# Altium PCB Brushed_PCB.PcbDoc (part 1 of 2)
Units mil, origin at the board's own origin, x right, y up, seen from the top; angles counter-clockwise.
Board outline 5346.98 x 2308.22 mil, 2 copper layers (Top Layer, Bottom Layer); 144 components, 135 nets, 552 pads, 124 vias.
Unrouted connection lines stored in the file: 100.
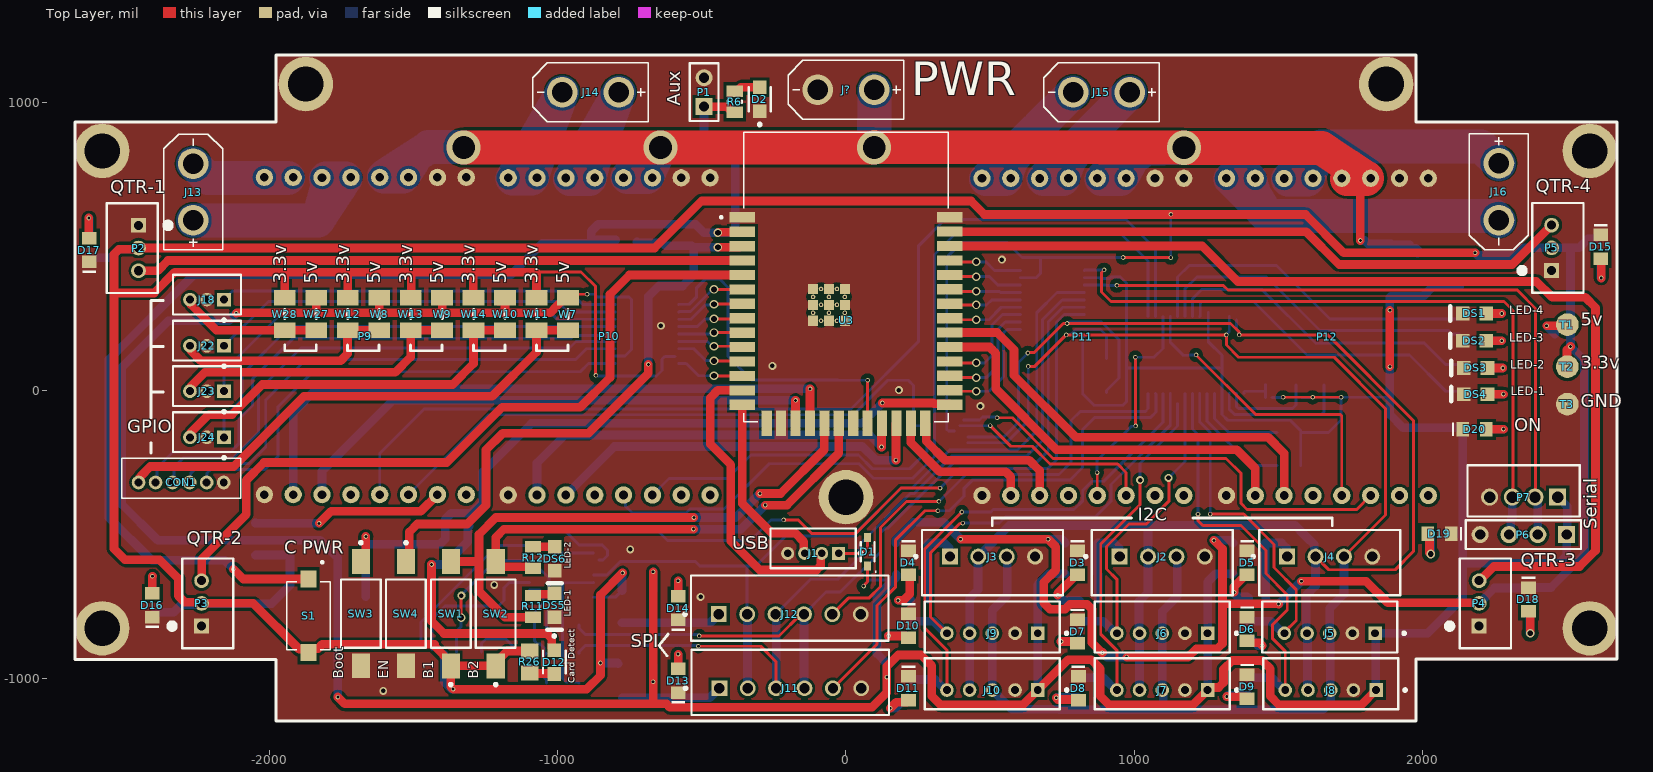
[diagram p0: Top Layer view]
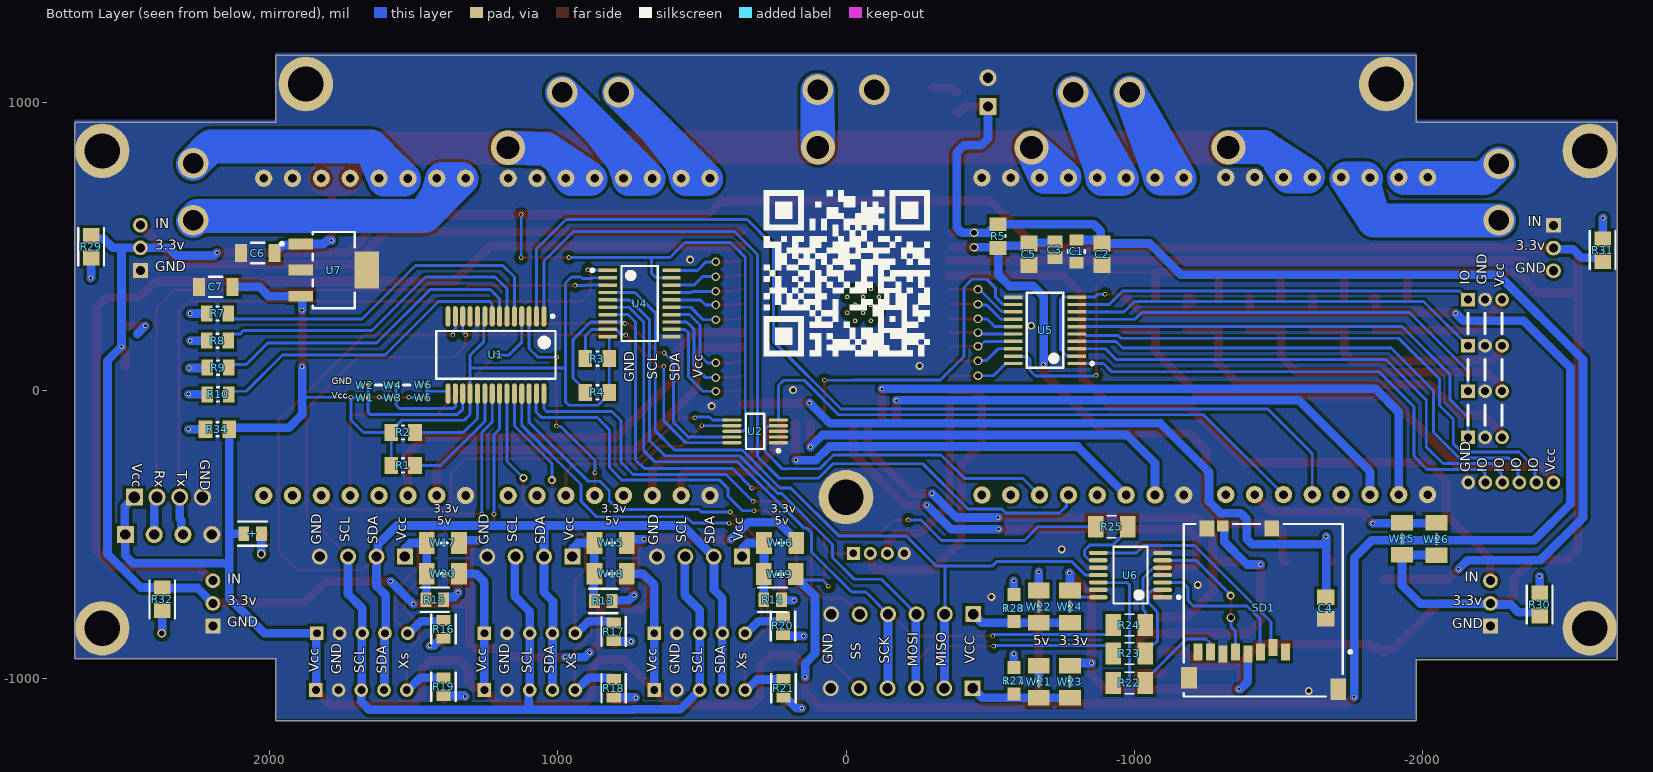
[diagram p1: Bottom Layer view, seen from below]
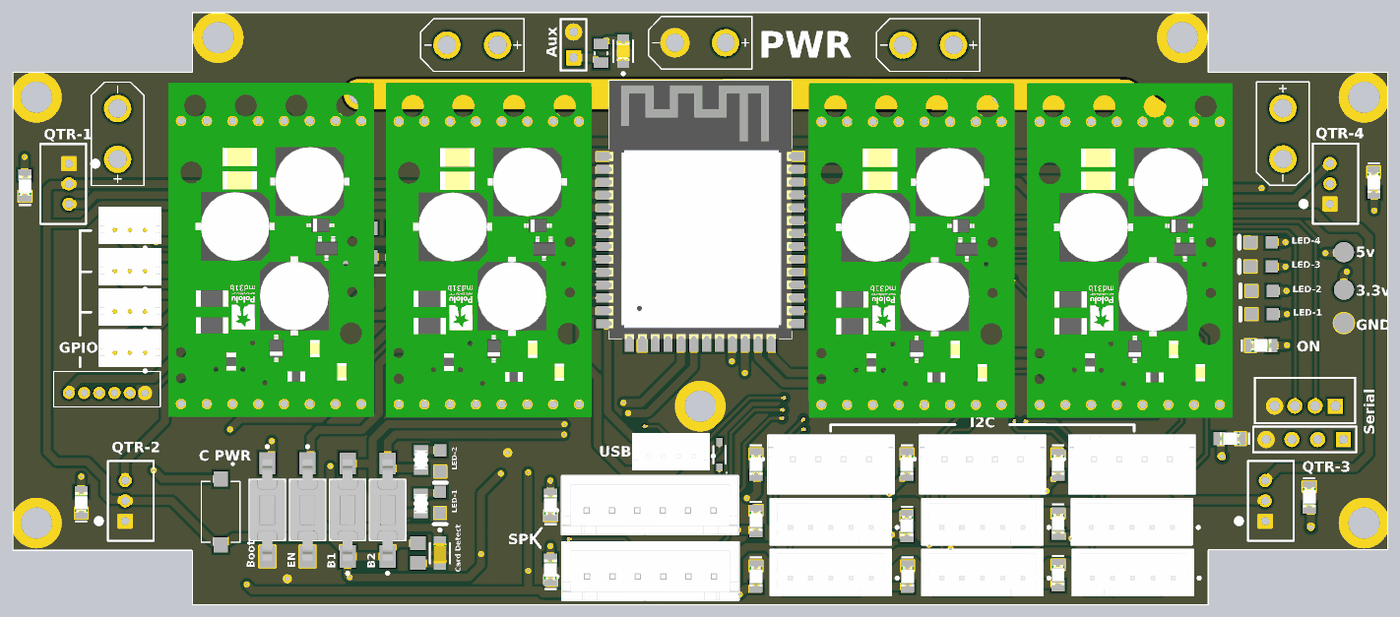
[diagram p3: 3D render of the assembled board from above, using the file's embedded part models]
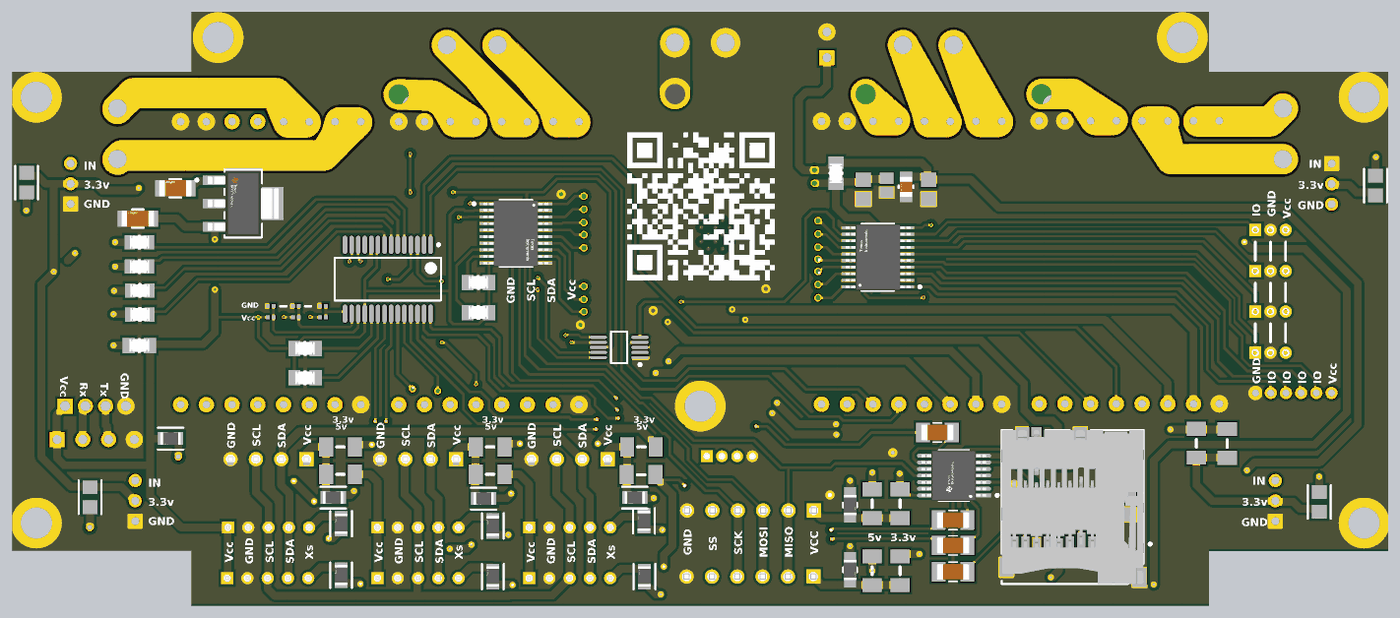
[diagram p4: 3D render of the assembled board from below, using the file's embedded part models]

## Layer stack, top to bottom
Top Solder: solder mask 0.4, Solder Resist, Dk 3.5
Top Layer: signal copper 1.4
Dielectric 1: dielectric 12.6, FR-4, Dk 4.8
Bottom Layer: signal copper 1.4
Bottom Solder: solder mask 0.4, Solder Resist, Dk 3.5

## Board outline
-2673.49,-932.92 -1976.38,-932.92 -1976.38,-1145.67 1976.38,-1145.67 1976.38,-930.96 2068.1,-930.96 2673.49,-930.96 2673.49,930.27 1976.38,930.27 1976.38,1162.55 -1976.38,1162.55 -1976.38,930.26 -2673.49,930.26

## Design rules (kind name [scope] priority, off if disabled: settings)
Clearance [All] p1: gap=10 ignorepadtopadclearanceinfootprint=TRUE except(7.87: Track-SMDPad SMDPad-SMDPad; 12.99: Track-THPad; 19.68: Arc-THPad Arc-Hole Track-Hole SMDPad-THPad SMDPad-Hole THPad-THPad THPad-Hole Via-Hole Fill-Hole Poly-Hole Region-Hole Text-Hole)
ComponentClearance [All] p1: gap=-50 collisioncheckmode=3 verticalgap=10 showdistances=FALSE
PlaneConnect [All] p1: planeconnectstyle=Direct reliefexpansion=20 reliefentries=4 reliefconductorwidth=10 reliefairgap=10
PolygonConnect [All] p1: connectstyle=Direct reliefconductorwidth=15.75 reliefentries=4 polygonreliefangle="90 Angle" airgapwidth=11.81
RoutingVias [All] p1: holewidth=19.68 width=29.53 viastyle="Through Hole" minholewidth=10 minwidth=15.75 maxholewidth=28 maxwidth=50
SolderMaskExpansion [All] p1: expansion=4 istentingtop=FALSE
Width [All] p1: maxlimit=118.11 minlimit=10 preferedwidth=30 minimp=50.000000 maximp=50.000000 favimp=50.000000
28 further rules are at their usual default settings.

## Classes and differential pairs
component class "High Power": C6 C7 D20 J13 J14 J15 J16 J? P9 P10 P11 P12 R34 U7 W25 W26
component class UART: + D19 P6 P7
component class SPI: D12 D13 D14 J11 J12 R22 R23 R24 R25 R26 R27 R28 SD1 U6 W21 W22 W23 W24
component class QTR: D15 D16 D17 D18 P2 P3 P4 P5 R29 R30 R31 R32
component class I2C: D3 D4 D5 D6 D7 D8 D9 D10 D11 J2 J3 J4 J5 J6 J7 J8 J9 J10 R13 R14 R15 R16 R17 R18 R19 R20 R21 W15 W16 W17 W18 W19 W20
component class Hoja_principal_Sumo_2024: C1 C2 C3 C4 C5 CON1 D1 D2 DS1 DS2 DS3 DS4 DS5 DS6 J1 J18 J22 J23 J24 P1 R1 R2 R3 R4 R5 R6 R7 R8 R9 R10 R11 R12 S1 SW1 SW2 SW3 SW4 T1 T2 T3 U1 U2 U3 U4 U5 W1 W2 W3 W4 W5 W6 W7 W8 W9 W10 W11 W12 W13 W14 W27 W28

## Components (designator, comment, footprint, x,y, rotation, side; value= is the part's Value field where it differs from the comment)
+ "ERJ-P06F1001V" FP-ERJP06-IPC_C 2057.52,-496.36 r0 bottom (schematic designator R33)
C1 "TMK212BBJ106KG-T" FP-0805-L_2_0_0_2-W_1_25-MFG -799.21,482.35 r270 bottom
C2 "GRM21BR71H104KA01L" CAPC2013X135X45ML10T25 -887.8,472.44 r270 bottom
C3 "C0805C105K4PACTU" CAPC2013X145X50LL20T25 -724.58,488.19 r90 bottom
C4 "GRM21BR71H104KA01L" CAPC2013X135X45ML10T25 -1663.39,-754.18 r90 bottom
C5 "GRM21BR71H104KA01L" CAPC2013X135X45ML10T25 -633.86,472.44 r90 bottom
C6 "GRM31CR71A226KE15L" FP-GRM31C-0_2-e0_3_0_8-MFG 2039.37,476.38 r0 bottom
C7 "GRM31CR71A226KE15L" FP-GRM31C-0_2-e0_3_0_8-MFG 2185.04,359.25 r0 bottom
CON1 "B6B-ZR" B6B-ZR -2098.43,-370.08 r180 top
D1 "BAS3010A03WE6327HTSA1" INF-SOD323_V 74.8,-559.06 r180 top
D2 "APHCM2012SYCK-F01" FP-APHCM2012SYCK-F01-MFG -299.21,1009.84 r90 top
D3 "150080BS75000" WL-SMCW_0805_150080xx75000 802.77,-597.68 r270 top
D4 "150080BS75000" WL-SMCW_0805_150080xx75000 216.54,-597.68 r270 top
D5 "150080BS75000" WL-SMCW_0805_150080xx75000 1390.56,-597.83 r270 top
D6 "150080BS75000" WL-SMCW_0805_150080xx75000 1390.56,-827.16 r270 top
D7 "150080BS75000" WL-SMCW_0805_150080xx75000 802.77,-835.87 r270 top
D8 "150080BS75000" WL-SMCW_0805_150080xx75000 805.74,-1032.72 r270 top
D9 "150080BS75000" WL-SMCW_0805_150080xx75000 1390.56,-1026.96 r270 top
D10 "150080BS75000" WL-SMCW_0805_150080xx75000 216.54,-816.18 r270 top
D11 "150080BS75000" WL-SMCW_0805_150080xx75000 216.54,-1032.72 r270 top
D12 "LTST-C170KFKT" FP-LTST-C170KFKT-MFG -1011.26,-941.86 r270 top
D13 "150080BS75000" WL-SMCW_0805_150080xx75000 -581.88,-1006.29 r90 top
D14 "150080BS75000" WL-SMCW_0805_150080xx75000 -581.88,-754.32 r90 top
D15 "150080BS75000" WL-SMCW_0805_150080xx75000 2617.08,498.38 r270 top
D16 "150080BS75000" WL-SMCW_0805_150080xx75000 -2404.96,-744.07 r90 top
D17 "150080BS75000" WL-SMCW_0805_150080xx75000 -2623.61,486.89 r90 top
D18 "150080BS75000" WL-SMCW_0805_150080xx75000 2366.14,-724.48 r270 top
D19 "150080BS75000" WL-SMCW_0805_150080xx75000 2057.52,-496.36 r180 top
D20 "150080SS75000" WL-SMCW_0805_150080xx75000 2179.23,-134.48 r0 top
DS1 "HSMG-C170" AVAG-HSMX-C170_V 2179.04,266.93 r180 top
DS2 "HSMG-C170" AVAG-HSMX-C170_V 2179.04,172.44 r180 top
DS3 "HSMG-C170" AVAG-HSMX-C170_V 2182.98,77.96 r180 top
DS4 "HSMG-C170" AVAG-HSMX-C170_V 2182.98,-12.6 r180 top
DS5 "HSMG-C170" AVAG-HSMX-C170_V -1010.67,-744.33 r270 top
DS6 "HSMG-C170" AVAG-HSMX-C170_V -1009.78,-583.06 r270 top
J1 "B4B-ZR(LF)(SN)" FP-B4B-ZR_LF_SN-MFG -113.84,-547.16 r0 top
J2 "B4B-XH-A(LF)(SN)" FP-B4B-XH-A_LF_SN-MFG 1096.46,-596.7 r180 top
J3 "B4B-XH-A(LF)(SN)" FP-B4B-XH-A_LF_SN-MFG 507.87,-596.7 r180 top
J4 "B4B-XH-A(LF)(SN)" FP-B4B-XH-A_LF_SN-MFG 1677.17,-596.7 r180 top
J5 "B5B-PH-K-S(LF)(SN)" FP-B5B-PH-K-S_LF_SN-MFG 1677.17,-820.12 r180 top
J6 "B5B-PH-K-S(LF)(SN)" FP-B5B-PH-K-S_LF_SN-MFG 1096.46,-820.12 r180 top
J7 "B5B-PH-K-S(LF)(SN)" FP-B5B-PH-K-S_LF_SN-MFG 1096.46,-1016.97 r180 top
J8 "B5B-PH-K-S(LF)(SN)" FP-B5B-PH-K-S_LF_SN-MFG 1680.48,-1016.97 r180 top
J9 "B5B-PH-K-S(LF)(SN)" FP-B5B-PH-K-S_LF_SN-MFG 507.25,-820.12 r180 top
J10 "B5B-PH-K-S(LF)(SN)" FP-B5B-PH-K-S_LF_SN-MFG 507.25,-1016.97 r180 top
J11 "B6B-XH-A(LF)(SN)" FP-B6B-XH-A_LF_SN-MFG -193.12,-1011.85 r0 top
J12 "B6B-XH-A(LF)(SN)" FP-B6B-XH-A_LF_SN-MFG -195.09,-754.96 r0 top
J13 "XT30UPB-M" XT30UPB-M -2263.7,688.14 r90 top
J14 "XT30UPB-M" XT30UPB-M -885.83,1033.46 r180 top
J15 "XT30UPB-M" XT30UPB-M 885.83,1033.46 r180 top
J16 "XT30UPB-M" XT30UPB-M 2263.78,688.98 r270 top
J18 "B3B-ZR(LF)(SN)" FP-B3B-ZR_LF_SN-MFG -2215.55,332.68 r0 top
J22 "B3B-ZR(LF)(SN)" FP-B3B-ZR_LF_SN-MFG -2215.55,172.75 r0 top
J23 "B3B-ZR(LF)(SN)" FP-B3B-ZR_LF_SN-MFG -2215.55,15.27 r0 top
J24 "B3B-ZR(LF)(SN)" FP-B3B-ZR_LF_SN-MFG -2215.55,-144.69 r0 top
J? "XT30UPB-M" XT30UPB-M 0.08,1042.47 r180 top
P1 "Header 2" HDR1X2 -492.13,984.25 r90 top
P2 "B3B-PH-K-S(LF)(SN)" JST-B3B-PH-K-S-3_V -2474.56,493.73 r270 top
P3 "B3B-PH-K-S(LF)(SN)" JST-B3B-PH-K-S-3_V -2212.6,-738.19 r90 top
P4 "B3B-PH-K-S(LF)(SN)" JST-B3B-PH-K-S-3_V 2216.78,-738.19 r90 top
P5 "B3B-PH-K-S(LF)(SN)" JST-B3B-PH-K-S-3_V 2468.02,494.47 r90 top
P6 "Header 4" HDR1X4 2498.67,-499.66 r180 top
P7 "B4B-PH-K-S(LF)(SN)" JST-B4B-PH-K-S_V 2349.46,-348.08 r180 top
P9 "Pololu G2 High-Power Motor Driver 18v25" "POLOLU G2 HIGH-POWER MOTOR DRIVER 18V25" -2016.61,-361.16 r90 top locked
P10 "Pololu G2 High-Power Motor Driver 18v25" "POLOLU G2 HIGH-POWER MOTOR DRIVER 18V25" -1171.18,-362.65 r90 top locked
P11 "Pololu G2 High-Power Motor Driver 18v25" "POLOLU G2 HIGH-POWER MOTOR DRIVER 18V25" 471.29,-364.22 r90 top locked
P12 "Pololu G2 High-Power Motor Driver 18v25" "POLOLU G2 HIGH-POWER MOTOR DRIVER 18V25" 1318.93,-364.22 r90 top locked
R1 "CRCW080510K0FKEA" FP-CRCW0805-e3-IPC_A 1535.43,-259.84 r0 bottom
R2 "CRCW080510K0FKEA" FP-CRCW0805-e3-IPC_A 1535.43,-145.67 r0 bottom
R3 "CRCW080510K0FKEA" FP-CRCW0805-e3-IPC_A 862.2,110.24 r180 bottom
R4 "CRCW080510K0FKEA" FP-CRCW0805-e3-IPC_A 862.2,-6.4 r180 bottom
R5 "CRCW080510K0FKEA" FP-CRCW0805-e3-IPC_A -527.52,535.04 r90 bottom
R6 "CRCW0805680RFKEA" RESC2013X50X30NL20T20 -385.83,1000.98 r270 top
R7 "CRCW0805390RFKEA" FP-CRCW0805-e3-IPC_B 2179.04,266.93 r180 bottom
R8 "CRCW0805390RFKEA" FP-CRCW0805-e3-IPC_B 2179.04,172.44 r180 bottom
R9 "CRCW0805390RFKEA" FP-CRCW0805-e3-IPC_B 2177.04,79.43 r180 bottom
R10 "CRCW0805390RFKEA" FP-CRCW0805-e3-IPC_B 2177.04,-13.58 r180 bottom
R11 "CRCW0805390RFKEA" FP-CRCW0805-e3-IPC_B -1085.48,-748.27 r270 top
R12 "CRCW0805390RFKEA" FP-CRCW0805-e3-IPC_B -1084.58,-579.13 r270 top
R13 "ERJ-P06F1001V" FP-ERJP06-IPC_C 841.35,-729.72 r0 bottom
R14 "ERJ-P06F1001V" FP-ERJP06-IPC_C 254.73,-725.78 r0 bottom
R15 "ERJ-P06F1001V" FP-ERJP06-IPC_C 1425.99,-725.78 r0 bottom
R16 "ERJ-P06F1001V" FP-ERJP06-IPC_C 1395.48,-827.16 r90 bottom
R17 "ERJ-P06F1001V" FP-ERJP06-IPC_C 805.74,-835.87 r90 bottom
R18 "ERJ-P06F1001V" FP-ERJP06-IPC_C 805.74,-1032.72 r90 bottom
R19 "ERJ-P06F1001V" FP-ERJP06-IPC_C 1395.48,-1026.96 r90 bottom
R20 "ERJ-P06F1001V" FP-ERJP06-IPC_C 218.5,-816.18 r90 bottom
R21 "ERJ-P06F1001V" FP-ERJP06-IPC_C 216.54,-1032.72 r90 bottom
R22 "3k3" 1206 -982.28,-1014.02 r180 bottom
R23 "3k3" 1206 -982.28,-911.66 r0 bottom
R24 "3k3" 1206 -982.28,-813.23 r0 bottom
R25 "3k3" 1206 -921.26,-472.44 r0 bottom
R26 "ERJ6ENF6800V" RESC2013X70X40ML20T20 -1096.73,-941.38 r90 top
R27 "ERJ-P06F1001V" FP-ERJP06-MFG -581.88,-1006.29 r270 bottom
R28 "ERJ-P06F1001V" FP-ERJP06-MFG -581.88,-754.32 r270 bottom
R29 "ERJ-6ENF1500V" FP-ERJ6EN-IPC_A 2617.08,498.38 r90 bottom
R30 "ERJ-6ENF1500V" FP-ERJ6EN-IPC_A -2404.96,-742.1 r270 bottom
R31 "ERJ-6ENF1500V" FP-ERJ6EN-IPC_A -2623.61,486.89 r270 bottom
R32 "ERJ-6ENF1500V" FP-ERJ6EN-IPC_A 2370.67,-724.16 r90 bottom
R34 "CRCW080510K0FKEA" FP-CRCW0805-e3-IPC_A 2179.23,-134.48 r180 bottom
S1 "TS10-63-26-BE-250-SMT-TR" "SWITCH SMD" -1863.4,-781.02 r270 top
SD1 "473521001" MOLX-473521001_V -1446.85,-762.05 r180 bottom
SW1 "FSMSMTR" TECO-FSMSMTR_V -1370.08,-773.86 r90 top
SW2 "FSMSMTR" TECO-FSMSMTR_V -1214.57,-773.86 r90 top
SW3 "FSMSMTR" TECO-FSMSMTR_V -1682.09,-773.62 r270 top
SW4 "FSMSMTR" TECO-FSMSMTR_V -1525.59,-773.62 r270 top
T1 "Test point" TESTPOINT 2500.8,228.2 r180 top
T2 "Test point" TESTPOINT 2500.8,82.53 r180 top
T3 "Test point" TESTPOINT 2500.8,-47.39 r180 top
U1 "MCP23017-E/SS" SSOP-SS28_L 1213.77,123.18 r270 bottom
U2 "ADS1115IDGST" TI-DGS10_N 314.96,-141.73 r0 bottom
U3 "ESP32-S3-WROOM-1 N8R8" PCBComponent_1 0,393.7 r0 top locked
U4 "TXS0108EQPWRQ1" FP-PW0020A-MFG 715.74,301.33 r180 bottom
U5 "TXS0108EQPWRQ1" FP-PW0020A-MFG -689.96,208.66 r0 bottom
U6 "SN74LVC125APWR" FP-PW0014A-IPC_B -986.22,-640 r0 bottom
U7 "LM7805MP/NOPB" FP-DCY0004A-MFG 1775.59,417.32 r180 bottom
W1 "Jumper" "JUMPER MINI" 1668.54,-24.75 r0 bottom
W2 "Jumper" "JUMPER MINI" 1668.54,18.55 r180 bottom
W3 "Jumper" "JUMPER MINI" 1570.87,-24.75 r0 bottom
W4 "Jumper" "JUMPER MINI" 1570.87,18.55 r180 bottom
W5 "Jumper" "JUMPER MINI" 1465.71,-24.75 r0 bottom
W6 "Jumper" "JUMPER MINI" 1465.71,19.69 r180 bottom
W7 "Jumper" "JUMPER MID" -964.01,265.04 r90 top
W8 "Jumper" "JUMPER MID" -1618.65,265.04 r90 top
W9 "Jumper" "JUMPER MID" -1400.44,265.04 r90 top
W10 "Jumper" "JUMPER MID" -1182.22,265.04 r90 top
W11 "Jumper" "JUMPER MID" -1073.11,265.04 r90 top
W12 "Jumper" "JUMPER MID" -1727.76,265.04 r90 top
W13 "Jumper" "JUMPER MID" -1509.55,265.04 r90 top
W14 "Jumper" "JUMPER MID" -1291.33,265.04 r90 top
W15 "Jumper" "JUMPER MID" 816.1,-528.78 r180 bottom
W16 "Jumper" "JUMPER MID" 228.35,-528.78 r180 bottom
W17 "Jumper" "JUMPER MID" 1397.64,-528.78 r180 bottom
W18 "Jumper" "JUMPER MID" 816.1,-635.08 r180 bottom
W19 "Jumper" "JUMPER MID" 229.82,-636.56 r180 bottom
W20 "Jumper" "JUMPER MID" 1397.64,-635.08 r180 bottom
W21 "Jumper" "JUMPER MID" -667.9,-1009.74 r90 bottom
W22 "Jumper" "JUMPER MID" -667.9,-749.38 r90 bottom
W23 "Jumper" "JUMPER MID" -776.42,-1009.74 r90 bottom
W24 "Jumper" "JUMPER MID" -776.42,-749.38 r90 bottom
W25 "Jumper" "JUMPER MID" -1927.62,-514.2 r270 bottom
W26 "Jumper" "JUMPER MID" -2047.24,-515.26 r270 bottom
W27 "Jumper" "JUMPER MID" -1836.87,265.04 r90 top
W28 "Jumper" "JUMPER MID" -1945.98,265.04 r90 top

## Footprints (in the part's own frame and the unit in brackets; to place one, negate y for a bottom-side part, rotate by r counter-clockwise, add the part's x,y. Pads: shape width x height; smd on the part's side, far side on the other; paste and mask are expansions set on the pad)
1206 [mm]
  rect 1.37x1.91 smd: 1(-1.421,0) 2(1.421,0)
  silkscreen extent -0.42,-0.95 0.42,0.95, body extent -1.6,-0.8 1.6,0.8, height 1.9
AVAG-HSMX-C170_V [mm] "SMD, 2-Leads, Body 2x1.25mm, Height 0.8mm"
  rect 1.2x1.2 smd: 1(-1.05,0) 2(1.05,0)
  silkscreen extent 2.15,-0.63 2.15,0.63, body extent -1,-0.63 1,0.63, height 0.8
B6B-ZR [mm]
  round 1.208 hole 0.7: 1(9,-1.3) 2(7.5,-1.3) 3(6,-1.3) 4(4.5,-1.3) 5(3,-1.3) 6(1.5,-1.3)
  silkscreen extent 0,-3.43 10.5,0.07
CAPC2013X135X45ML10T25 [mm] "Chip Capacitor, 2-Leads, Body 2.10x1.35mm, IPC Low Density"
  rect 1.4x1.5 smd: 1(-0.95,0) 2(0.95,0)
  body extent -1.05,-0.67 1.05,0.67, height 1.35
CAPC2013X145X50LL20T25 [mm] "Chip Capacitor, 2-Leads, Body 2.00x1.25mm, IPC High Density"
  rect 1.1x1.35 smd: 1(-0.7,0) 2(0.7,0)
  body extent -1.1,-0.72 1.1,0.72, height 1.45
FP-0805-L_2_0_0_2-W_1_25-MFG [mm]
  rect 1x1.25 smd paste+0 mask+0: 1(-1,0) 2(1,0)
  silkscreen extent -0.13,-0.72 0.13,0.72, body extent -1,-0.63 1,0.62, height 1.45
FP-APHCM2012SYCK-F01-MFG [mm]
  rect 1.2x1.2 smd paste+0 mask+0: 1(-1.05,0) 2(1.05,0)
  silkscreen extent -2.35,-0.97 1.05,0.97, body extent -1.75,-0.77 1.75,0.77, height 0.25
FP-B3B-ZR_LF_SN-MFG [mm]
  rect 1.2x1.2 hole 0.7 paste-1000 mask+0: 1(1.5,-0.45)
  round 1.2 hole 0.7 paste-1000 mask+0: 2(0,-0.45) 3(-1.5,-0.45)
  silkscreen extent -3,-2.37 3,1.75, body extent -3.1,-1.85 3.1,1.85, height 0.25
FP-B4B-XH-A_LF_SN-MFG [mm]
  rect 1.4x1.4 hole 0.9 paste-1000 mask+0: 1(3.75,-0.525)
  round 1.4 hole 0.9 paste-1000 mask+0: 2(1.25,-0.525) 3(-1.25,-0.525) 4(-3.75,-0.525)
  silkscreen extent -6.2,-2.88 6.87,2.88, body extent -6.3,-2.98 6.3,2.98, height 0.25
FP-B4B-ZR_LF_SN-MFG [mm]
  rect 1.15x1.15 hole 0.65 paste-1000 mask+0: 1(2.25,-0.45)
  round 1.15 hole 0.65 paste-1000 mask+0: 2(0.75,-0.45) 3(-0.75,-0.45) 4(-2.25,-0.45)
  silkscreen extent -3.75,-1.75 4.3,1.75, body extent -3.85,-1.85 3.85,1.85, height 0.25
FP-B5B-PH-K-S_LF_SN-MFG [mm]
  rect 1.2x1.2 hole 0.7 paste-1000 mask+0: 1(-4,0.55)
  round 1.2 hole 0.7 paste-1000 mask+0: 2(-2,0.55) 3(0,0.55) 4(2,0.55) 5(4,0.55)
  silkscreen extent -6.68,-2.25 5.95,2.25, body extent -6.05,-2.35 6.05,2.35, height 0.25
FP-B6B-XH-A_LF_SN-MFG [mm]
  rect 1.4x1.4 hole 0.9 paste-1000 mask+0: 1(-6.25,-0.525)
  round 1.4 hole 0.9 paste-1000 mask+0: 2(-3.75,-0.525) 3(-1.25,-0.525) 4(1.25,-0.525) 5(3.75,-0.525) 6(6.25,-0.525)
  silkscreen extent -9.35,-2.88 8.7,2.88, body extent -8.8,-2.98 8.8,2.98, height 0.25
FP-CRCW0805-e3-IPC_A [mil]
  rect 47.5x59.38 smd paste+0 mask+0: 1(-41.37,0) 2(41.37,0)
  silkscreen extent -3,-25 3,25, body extent -39,-25 39,25, height 20
FP-CRCW0805-e3-IPC_B [mil]
  rect 39.63x55.44 smd paste+0 mask+0: 1(-37.44,0) 2(37.44,0)
  silkscreen extent -3,-25 3,25, body extent -39,-25 39,25, height 20
FP-DCY0004A-MFG [mm]
  rect 2.15x0.95 smd paste+0 mask+0: 1(-2.9,2.3) 2(-2.9,0) 3(-2.9,-2.3)
  rect 2.15x3.25 smd paste+0 mask+0: 4(2.9,0)
  silkscreen extent -4.7,-3.35 1.85,3.35, body extent -3.5,-3.25 3.5,3.25, height 1.8
FP-ERJ6EN-IPC_A [mil]
  rect 53.34x57.56 smd paste+0 mask+0: 1(-38.41,0) 2(38.41,0)
  silkscreen extent -65,-45 65,45
FP-ERJP06-IPC_C [mil]
  rect 37.59x49.69 smd paste+0 mask+0: 1(-30.54,0) 2(30.54,0)
  silkscreen extent -49,-42 49,42, body extent -39,-25 39,25, height 28
FP-ERJP06-MFG [mm]
  rect 1.15x1.15 smd paste+0 mask+0: 1(-1.175,0) 2(1.175,0)
  silkscreen extent -0.23,-0.67 0.23,0.67, body extent -1,-0.63 1,0.63, height 0.7
FP-GRM31C-0_2-e0_3_0_8-MFG [mm]
  rect 1.05x1.6 smd paste+0 mask+0: 1(-1.475,0) 2(1.475,0)
  silkscreen extent -0.58,-0.9 0.58,0.9, body extent -1.6,-0.8 1.6,0.8, height 1.8
FP-LTST-C170KFKT-MFG [mm]
  rect 1.2x1.2 smd paste+0 mask+0: 1(-1.05,0) 2(1.05,0)
  silkscreen extent -2.42,-1 1,1, body extent -1.75,-0.77 1.75,0.77, height 0.25
FP-PW0014A-IPC_B [mm]
  rect 1.655x0.381 smd paste+0 mask+0: 1(-2.825,1.95)
  rrect100% 1.655x0.381 smd paste+0 mask+0: 2(-2.825,1.3) 3(-2.825,0.65) 4(-2.825,0) 5(-2.825,-0.65) 6(-2.825,-1.3) 7(-2.825,-1.95) 8(2.825,-1.95) 9(2.825,-1.3) 10(2.825,-0.65) 11(2.825,0) 12(2.825,0.65) 13(2.825,1.3) 14(2.825,1.95)
  silkscreen extent -4.37,-2.5 1.5,2.5, body extent -3.17,-2.5 3.23,2.5, height 1.2
FP-PW0020A-MFG [mm]
  rect 1.6x0.3 smd paste-1000 mask+0: 1(-2.8,2.925) 2(-2.8,2.275) 3(-2.8,1.625) 4(-2.8,0.975) 5(-2.8,0.325) 6(-2.8,-0.325) 7(-2.8,-0.975) 8(-2.8,-1.625) 9(-2.8,-2.275) 10(-2.8,-2.925) 11(2.8,-2.925) 12(2.8,-2.275) 13(2.8,-1.625) 14(2.8,-0.975) 15(2.8,-0.325) 16(2.8,0.325) 17(2.8,0.975) 18(2.8,1.625) 19(2.8,2.275) 20(2.8,2.925)
  silkscreen extent -4.28,-3.3 1.6,3.3, body extent -3.22,-3.25 3.18,3.25, height 1.2